# Altium PCB Mixed_Signal_Board_PCB.PcbDoc (part 2 of 4) (continued)
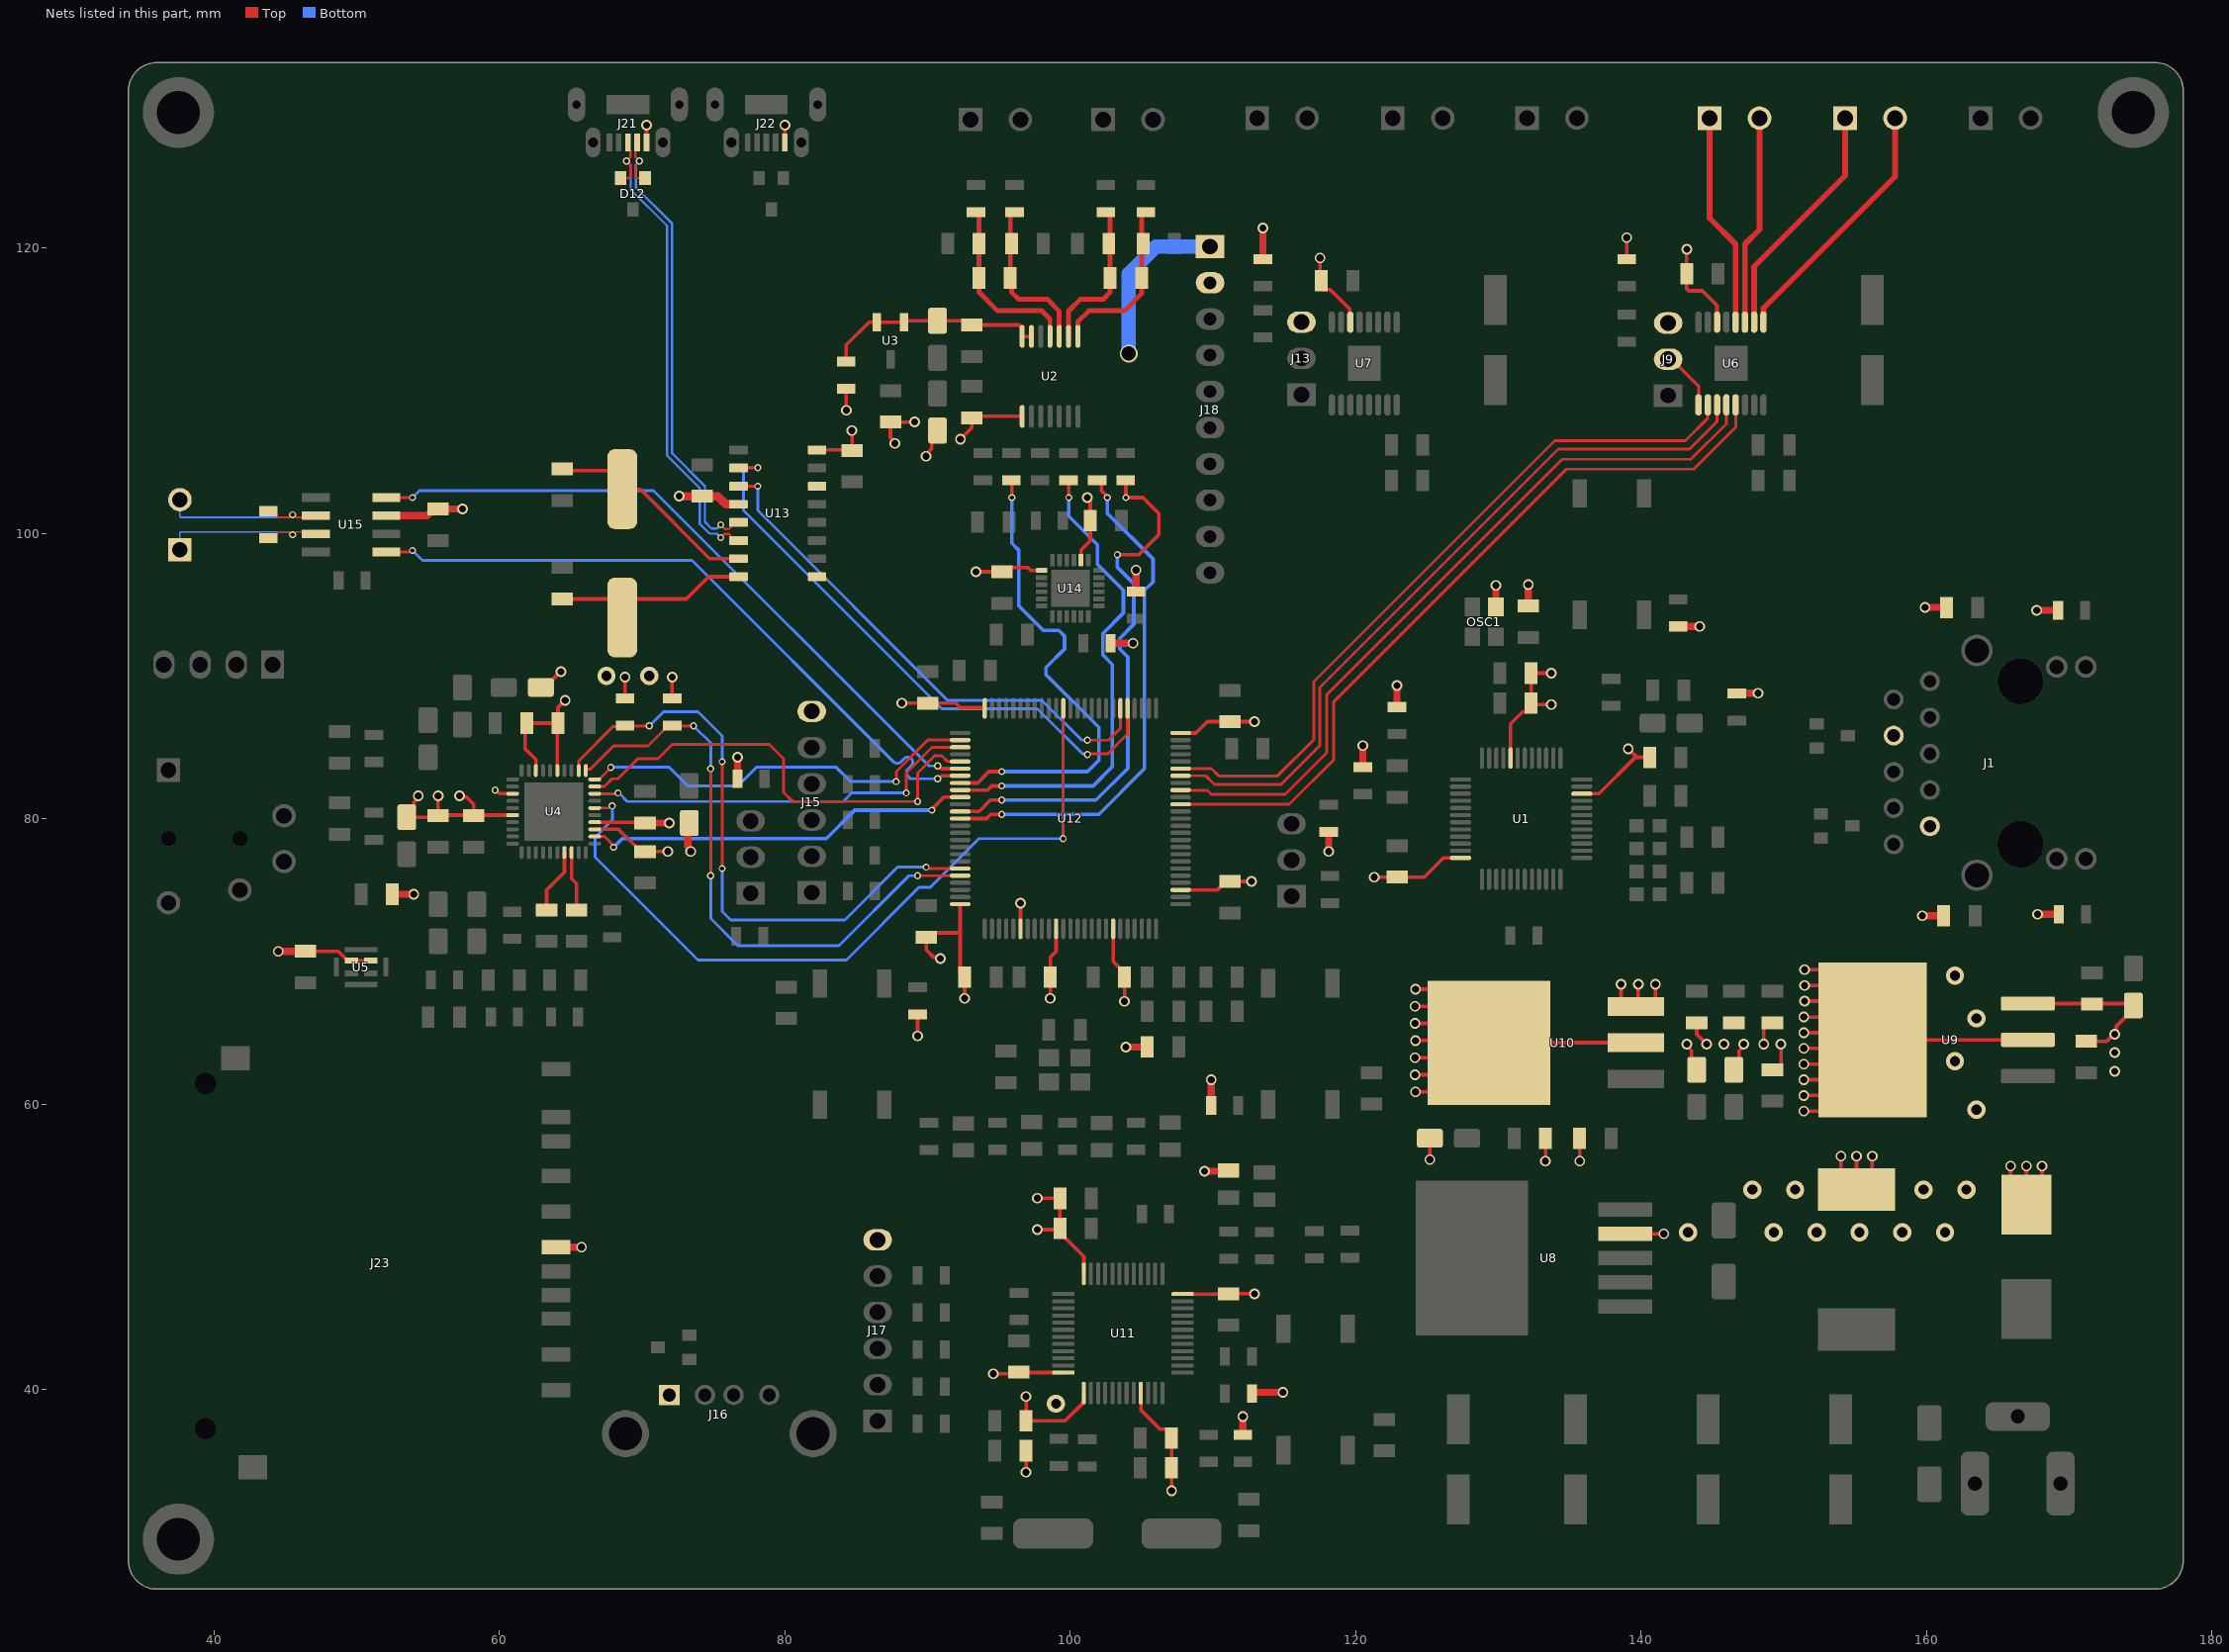
[diagram p4: the nets of this part, all layers, seen from the top]
## Part data (continued)
U8: "SIMPLE SWITCHER® 4.5V to 40V, 3A Low Component Count Step-Down Regulator 5-DDPAK/TO-263", Case/Package=TO-263, Manufacturer="TI National Semiconductor", Manufacturer Part Number=LM2596S-5.0/NOPB, Max Operating Temperature=125°C, Max Output Current=3A, Max Input Voltage=40V, Min Operating Temperature=-40°C, Min Input Voltage=4.5V, Nominal Output Voltage=5V, Package Quantity=45, Quiescent Current=5mA, Supplier Part Number 1=LM2596S-5.0/NOPB-ND, Switching Frequency=173kHz, Category="Power Supply Modules", ComponentLink1Description=https://datasheet.ciiva.com/14150/jqlm2596x-xx-e-14150651.pdf?src-supplier=Distrelec, ComponentLink1URL=https://datasheet.ciiva.com/14150/jqlm2596x-xx-e-14150651.pdf?src-supplier=Distrelec, ComponentLink2Description=https://datasheet.ciiva.com/27050/836385-27050287.pdf?src-supplier=Jameco, ComponentLink2URL=https://datasheet.ciiva.com/27050/836385-27050287.pdf?src-supplier=Jameco, ComponentLink3Description=https://datasheet.ciiva.com/15112/getdatasheetpartid-112894-15112928.pdf?src-supplier=Verical, ComponentLink3URL=https://datasheet.ciiva.com/15112/getdatasheetpartid-112894-15112928.pdf?src-supplier=Verical, ComponentLink4Description=https://datasheet.ciiva.com/41457/001013813-da-01-en-ic-reg-buc-lm2596s-5-0-nopb-to-263-5-tid-41457757.pdf?src-supplier=Conrad, ComponentLink4URL=https://datasheet.ciiva.com/41457/001013813-da-01-en-ic-reg-buc-lm2596s-5-0-nopb-to-263-5-tid-41457757.pdf?src-supplier=Conrad, ComponentLink5Description=https://datasheet.ciiva.com/22669/1874590-22669463.pdf?src-supplier=Element14, ComponentLink5URL=https://datasheet.ciiva.com/22669/1874590-22669463.pdf?src-supplier=Element14, ComponentLink6Description=https://datasheet.ciiva.com/6596/lm2596-6596343.pdf?src-supplier=Digi-Key, ComponentLink6URL=https://datasheet.ciiva.com/6596/lm2596-6596343.pdf?src-supplier=Digi-Key, Contact Plating=Tin,Matte, Efficiency=80%, Height=4.57mm, Lead Free="Contains Lead", Length=10.16mm, Mount="Surface Mount", Number of Outputs=1, Number of Pins=5, Operating Supply Voltage=40V, Output Current=3A, Output Type=Fixed, Output Voltage=5V, Packaging=Rail/Tube, Pricing 1="1=7,14000, 10=6,45200, 25=6,15160, 100=5,34150, 250=5,10148, 500=4,95424 (USD)", Radiation Hardening=No, REACH SVHC="No SVHC", RoHS=Yes, RoHS Compliant=Yes, Series=LM2596, Supplier 1=Digi-Key, Weight=0.25lb, Width=8.64mm
U9: "3-A, 29-V, linear voltage regulator 3-DDPAK/TO-263 -40 to 125", Case/Package=TO-263, Current Rating=3A, Dropout Voltage=1.3V, Manufacturer="TI National Semiconductor", Manufacturer Part Number=LM1085IS-3.3, Max Operating Temperature=125°C, Max Input Voltage=27V, Min Current Limit=3.2A, Min Operating Temperature=-40°C, Min Input Voltage=2.6V, Output Voltage=3.3V, Package Quantity=45, Quiescent Current=10mA, Supplier Part Number 1=LM1085IS-3.3-ND, Category="Voltage Regulators - Linear", ComponentLink1Description=https://datasheet.ciiva.com/6582/lm1085-6582479.pdf?src-supplier=Digi-Key, ComponentLink1URL=https://datasheet.ciiva.com/6582/lm1085-6582479.pdf?src-supplier=Digi-Key, Lead Free="Contains Lead", Max Output Current=3A, Mount="Surface Mount", Number of Outputs=1, Number of Pins=3, Number of Regulators=1, Output Current=3A, Output Type=Fixed, Packaging=Rail/Tube, Polarity=Positive, Pricing 1="1=3,60000, 10=3,23200, 25=3,05520, 100=2,64780, 250=2,51204, 500=2,25404, 1000=2,24175 (USD)", Radiation Hardening=No, RoHS=No, RoHS Compliant=No, Series=-, Stock 1=971, Supplier 1=Digi-Key
U10: library part PMIC_LDO_LD1085D2M18R, "LDO Regulator Pos 1.8V 3A Automotive 4-Pin(3+Tab) D2PAK/A T/R", Case/Package=D2PAK, Dropout Voltage=1.3V, Manufacturer=STMicroelectronics, Max Operating Temperature=125°C, Max Output Current=3A, Max Input Voltage=30V, Min Operating Temperature=-40°C, Output Voltage=1.8V, Output Voltage Accuracy=1%, Package Quantity=1000, Quiescent Current=10mA, Supplier Part Number 1=497-LD1085D2M18RDKR-ND, Input Bias Current=5mA, Accuracy=1%, Category="Voltage Regulators - Linear", ComponentLink1Description=https://datasheet.ciiva.com/2050/cd00001883-2050688.pdf?src-supplier=Digi-Key, ComponentLink1URL=https://datasheet.ciiva.com/2050/cd00001883-2050688.pdf?src-supplier=Digi-Key, ComponentLink2Description=https://datasheet.ciiva.com/2050/cd00001883-2050689.pdf?src-supplier=Digi-Key, ComponentLink2URL=https://datasheet.ciiva.com/2050/cd00001883-2050689.pdf?src-supplier=Digi-Key, ComponentLink3Description=https://datasheet.ciiva.com/2050/cd00001883-2050690.pdf?src-supplier=Digi-Key, ComponentLink3URL=https://datasheet.ciiva.com/2050/cd00001883-2050690.pdf?src-supplier=Digi-Key, ComponentLink4Description=https://datasheet.ciiva.com/2050/cd00001883-2050691.pdf?src-supplier=Digi-Key, ComponentLink4URL=https://datasheet.ciiva.com/2050/cd00001883-2050691.pdf?src-supplier=Digi-Key, Height=4.6mm, Length=10.4mm, Manufacturer Part Number=LD1085D2M18R, Mount="Surface Mount", Number of Outputs=1, Number of Pins=4, Number of Regulators=1, Output Current=3A, Output Type=Fixed, Packaging="Tape and Reel", Polarity=Positive, Pricing 1="1=2,08000, 10=1,86900, 25=1,76360, 100=1,50260, 250=1,41088, 500=1,23450 (USD)", Radiation Hardening=No, RoHS=Yes, RoHS Compliant=Yes, Series=-, Stock 1=10832, Supplier 1=Digi-Key, Width=9.35mm
U11: library part IC_MCU_STM32F103C8T6, "IC MCU 32BIT 64KB FLASH 48LQFP", Case/Package=LQFP, Frequency=72MHz, Manufacturer=STMicroelectronics, Max Operating Temperature=85°C, Max Power Dissipation=363mW, Max Supply Voltage=3.6V, Min Operating Temperature=-40°C, Min Supply Voltage=2V, Package Quantity=1500, Supplier Part Number 1=497-6063-ND, Address Bus Width=32b, Category=Microcontrollers, ComponentLink1Description=https://datasheet.ciiva.com/15122/getdatasheetpartid-69880-15122076.pdf?src-supplier=Verical, ComponentLink1URL=https://datasheet.ciiva.com/15122/getdatasheetpartid-69880-15122076.pdf?src-supplier=Verical, ComponentLink2Description=https://datasheet.ciiva.com/8054/1730126-8054942.pdf?src-supplier=Element14, ComponentLink2URL=https://datasheet.ciiva.com/8054/1730126-8054942.pdf?src-supplier=Element14, ComponentLink3Description=https://datasheet.ciiva.com/14100/pustm-arm-microcont-stm32f103-en-14100508.pdf?src-supplier=Distrelec, ComponentLink3URL=https://datasheet.ciiva.com/14100/pustm-arm-microcont-stm32f103-en-14100508.pdf?src-supplier=Distrelec, ComponentLink4Description=https://datasheet.ciiva.com/16210/cd00161566-16210248.pdf?src-supplier=Future+Electronics, ComponentLink4URL=https://datasheet.ciiva.com/16210/cd00161566-16210248.pdf?src-supplier=Future+Electronics, ComponentLink5Description=https://datasheet.ciiva.com/48687/001075658-da-01-en-mcu-64kb-mem-stm32f103c8t6-lqfp-48-stm-48687589.pdf?src-supplier=Conrad, ComponentLink5URL=https://datasheet.ciiva.com/48687/001075658-da-01-en-mcu-64kb-mem-stm32f103c8t6-lqfp-48-stm-48687589.pdf?src-supplier=Conrad, Core Architecture=ARM, Data Bus Width=32b, Density=64KB, Height=1.4mm, Lead Free="Lead Free", Length=7mm, Manufacturer Part Number=STM32F103C8T6, Max Frequency=72MHz, Memory Size=64KB, Memory Type=FLASH, Number of ADC Channels=10, Number of Bits=32, Number of Pins=48, Number of Programmable I/O=48, Number of PWM Channels=1, Number of SPI Channels=2, Number of Timers/Counters=3, Number of I2C Channels=2, Number of I/Os=37, Oscillator Type=Internal, Packaging=Tray, Peripherals="POR,PWM,WDT,DMA,Temp Sensor,I2C", Pricing 1="1=7,26000, 10=6,56100, 25=6,25560, 80=5,43163, 250=5,18752, 500=5,08580 (USD)", Radiation Hardening=No, RAM Size=20KB, REACH SVHC="No SVHC", RoHS=Yes, RoHS Compliant=Yes, Series=STM32F103C8, Supplier 1=Digi-Key, Termination=SMD/SMT, Watchdog Timer=Yes, Weight=0.006349oz, Width=7mm, Interface=I2C,SPI,USB,CAN,USART
U12: library part IC_MCU_STM32F407VGT6, "MCU 32-bit STM32F ARM Cortex M4F RISC 1024KB Flash 2.5V/3.3V 100-Pin LQFP Tray", Case/Package=LQFP, Frequency=168MHz, Manufacturer=STMicroelectronics, Max Operating Temperature=85°C, Max Supply Voltage=3.6V, Min Operating Temperature=-40°C, Min Supply Voltage=1.8V, Package Quantity=90, Supplier Part Number 1=497-11605-ND, Address Bus Width=32b, Category=Microcontrollers, ComponentLink1Description=https://datasheet.ciiva.com/14132/stm32f407vgt6-tds-eng-14132567.pdf?src-supplier=Distrelec, ComponentLink1URL=https://datasheet.ciiva.com/14132/stm32f407vgt6-tds-eng-14132567.pdf?src-supplier=Distrelec, ComponentLink2Description=https://datasheet.ciiva.com/4842/dm00037051-492832-4842280.pdf?src-supplier=Mouser, ComponentLink2URL=https://datasheet.ciiva.com/4842/dm00037051-492832-4842280.pdf?src-supplier=Mouser, ComponentLink3Description=https://datasheet.ciiva.com/48687/001075599-da-01-en-mcu-32bt-1mb-stm32f407vgt6-lqfp-100-stm-48687547.pdf?src-supplier=Conrad, ComponentLink3URL=https://datasheet.ciiva.com/48687/001075599-da-01-en-mcu-32bt-1mb-stm32f407vgt6-lqfp-100-stm-48687547.pdf?src-supplier=Conrad, Core Architecture=ARM, Data Bus Width=32b, Height=1.45mm, Lead Free="Lead Free", Length=14.2mm, Manufacturer Part Number=STM32F407VGT6, Max Frequency=168MHz, Memory Size=1024KB, Memory Type=FLASH, Number of ADC Channels=16, Number of Ethernet Channels=1, Number of Pins=100, Number of Programmable I/O=82, Number of PWM Channels=2, Number of SPI Channels=3, Number of Timers/Counters=14, Number of UART Channels=2, Number of I2C Channels=3, Number of I/Os=82, Oscillator Type=Internal, Packaging=Tray, Peripherals="Brown-out Detect/Reset,POR,PWM,WDT,DMA,LCD,I2C", Pricing 1="1=16,21000, 10=14,90000, 25=14,28280, 90=12,86744 (USD)", Radiation Hardening=No, RAM Size=196KB, REACH SVHC="No SVHC", RoHS=Yes, RoHS Compliant=Yes, Series="STM32 F4", Supplier 1=Digi-Key, Supplier 2=Avnet, Supplier 3=Avnet, Supplier 4="Arrow Electronics", Supplier 5=Mouser, Supplier 6=Farnell, Supplier Part Number 2=73T2333, Supplier Part Number 3=STM32F407VGT6, Supplier Part Number 4=STM32F407VGT6, Supplier Part Number 5=511-STM32F407VGT6, Supplier Part Number 6=2064368, Watchdog Timer=Yes, Width=14.2mm, Interface=I2C,SPI,CAN,I2S,UART,USB,Ethernet,IrDA,USART,LIN,EBI/EMI
U13: library part IC_USB/UART_CH340G
U14: "IMU ACCEL/GYRO 3-AXIS I2C 24QFN", Case/Package=QFN, Manufacturer="TDK InvenSense", Manufacturer Part Number=MPU-6050, Max Operating Temperature=85°C, Min Operating Temperature=-40°C, Supplier Part Number 1=1428-1007-1-ND, Category="Inertial Measurement Units (IMUs)", ComponentLink1Description=https://datasheet.ciiva.com/1513/1788002-1513632.pdf?src-supplier=Element14, ComponentLink1URL=https://datasheet.ciiva.com/1513/1788002-1513632.pdf?src-supplier=Element14, ComponentLink2Description=https://datasheet.ciiva.com/22731/1788002-22731434.pdf?src-supplier=Element14, ComponentLink2URL=https://datasheet.ciiva.com/22731/1788002-22731434.pdf?src-supplier=Element14, Mount="Surface Mount", Output Type=I2C, Packaging="Tape and Reel", RoHS=Yes, RoHS Compliant=Yes, Sensor Type="Accelerometer,Gyroscope,3 Axis", Series=-, Supplier 1=Digi-Key
U15: "SN65HVD230 3.3 V Can Transceiver", Case/Package=D, Manufacturer="Texas Instruments", Manufacturer Part Number=SN65HVD230D, Max Operating Temperature=85°C, Max Supply Current=17mA, Max Supply Voltage=3.6V, Min Operating Temperature=-40°C, Min Supply Voltage=3V, Operating Supply Voltage=3.3V, Package Quantity=75, Supplier Part Number 1=SN65HVD230D-ND, Category="Logic ICs", ComponentLink1Description=https://datasheet.ciiva.com/19483/1372594-19483181.pdf?src-supplier=Jameco, ComponentLink1URL=https://datasheet.ciiva.com/19483/1372594-19483181.pdf?src-supplier=Jameco, ComponentLink2Description=https://datasheet.ciiva.com/41460/001187809-da-01-en-ic-can-transceive-sn65hvd230d-soic-8-tid-41460692.pdf?src-supplier=Conrad, ComponentLink2URL=https://datasheet.ciiva.com/41460/001187809-da-01-en-ic-can-transceive-sn65hvd230d-soic-8-tid-41460692.pdf?src-supplier=Conrad, ComponentLink3Description=https://datasheet.ciiva.com/1495/1818543-1495176.pdf?src-supplier=Element14, ComponentLink3URL=https://datasheet.ciiva.com/1495/1818543-1495176.pdf?src-supplier=Element14, ComponentLink4Description=https://datasheet.ciiva.com/15149/getdatasheetpartid-258990-15149989.pdf?src-supplier=Verical, ComponentLink4URL=https://datasheet.ciiva.com/15149/getdatasheetpartid-258990-15149989.pdf?src-supplier=Verical, Data Rate=1Mbps, Height=1.58mm, Lead Free="Lead Free", Length=4.9mm, Nominal Supply Current=17mA, Number of Drivers=1, Number of Pins=8, Number of Receive Buffers=1, Number of Receivers=1, Number of Transceivers=1, Number of Transmit Buffers=1, Packaging=Rail/Tube, Pricing 1="1=3,17000, 10=2,84600, 25=2,69040, 100=2,33160, 250=2,21200, 500=1,98482, 1000=1,97400 (USD)", Radiation Hardening=No, REACH SVHC="No SVHC", RoHS=Yes, RoHS Compliant=Yes, Series=-, Supplier 1=Digi-Key, Supply Current=17mA, Weight=0.002561oz, Width=3.91mm
X1: library part CRYSTAL_8.0000MHZ_16PF_SMD, "Crystal 8.0000MHZ 16PF SMD", Manufacturer="Raltron Electronics", Manufacturer Part Number=AS-8.000-16-SMD-TR, Supplier Part Number 1=2151-AS-8.000-16-SMD-TR-ND, Category=Uncategorized, Pricing 1="1000=0,06400, 3000=0,06000, 5000=0,05800, 10000=0,05600 (USD)", RoHS=No, Supplier 1=Digi-Key
X2: library part CRYSTAL_25.0000MHZ_10PF_SMD, "Crystal 25MHz ±30ppm (Tol) ±30ppm (Stability) 10pF FUND 60Ohm 4-Pin Ultra Mini-CSMD T/R", Case/Package=CSMD, ESR (Equivalent Series Resistance)=60R, Frequency Stability=30ppm, Load Capacitance=10pF, Manufacturer=Abracon, Manufacturer Part Number=ABM8G-25.000MHZ-4Y-T3, Max Operating Temperature=60°C, Min Operating Temperature=-10°C, Supplier Part Number 1=535-10915-1-ND, Category=Crystals, ComponentLink1Description=https://datasheet.ciiva.com/15116/getdatasheetpartid-722344-15116840.pdf?src-supplier=Verical, ComponentLink1URL=https://datasheet.ciiva.com/15116/getdatasheetpartid-722344-15116840.pdf?src-supplier=Verical, ComponentLink2Description=https://datasheet.ciiva.com/854/abm8g-854869.pdf?src-supplier=Digi-Key, ComponentLink2URL=https://datasheet.ciiva.com/854/abm8g-854869.pdf?src-supplier=Digi-Key, ComponentLink3Description=https://datasheet.ciiva.com/854/abm8g-854870.pdf?src-supplier=Digi-Key, ComponentLink3URL=https://datasheet.ciiva.com/854/abm8g-854870.pdf?src-supplier=Digi-Key, ComponentLink4Description=https://datasheet.ciiva.com/854/abm8g-854871.pdf?src-supplier=Digi-Key, ComponentLink4URL=https://datasheet.ciiva.com/854/abm8g-854871.pdf?src-supplier=Digi-Key, Depth=2.5mm, Frequency=25MHz, Frequency Tolerance=30ppm, Height=0.039inch, Length=3.2mm, Mount="Surface Mount", Number of Pins=4, Packaging="Tape and Reel", Pricing 1="1=0,67000, 10=0,59600, 50=0,55720, 100=0,49250, 500=0,46656, 1000=0,38880 (USD)", REACH SVHC="No SVHC", RoHS=Yes, Series Resistance=60R, Stock 1=68858, Supplier 1=Digi-Key, Width=0.098inch
X3: "Crystal 12MHz ±25ppm (Tol) ±35ppm (Stability) 20pF FUND 50Ohm 2-Pin HC-49/US SMD T/R", Frequency=12MHz, Load Capacitance=20pF, Manufacturer=Abracon, Manufacturer Part Number=ABLS-12.000MHZ-20-B-3-H-T, Supplier Part Number 1=535-15006-1-ND, Category=Crystals, ComponentLink1Description=https://abracon.com/Resonators/abls.pdf?src-supplier=Digi-Key, ComponentLink1URL=https://abracon.com/Resonators/abls.pdf?src-supplier=Digi-Key, Pricing 1="1=0,19000, 10=0,16100, 50=0,14480, 100=0,12860, 500=0,12220 (USD)", RoHS=Yes, Stock 1=3774, Supplier 1=Digi-Key

## Free pads (board coordinates)
  round 5 hole 3: 1(174.5,129.5) 2(37.5,129.5) 3(37.5,29.5)

## Via types
v1: diameter 0.75, hole 0.5, Top to Bottom, 298 vias
v2: diameter 0.5, hole 0.3, Top to Bottom, 142 vias
v3: diameter 1.27, hole 0.711, Top to Bottom, 63 vias
v4: diameter 0.6, hole 0.4, Top to Bottom, 22 vias
v5: diameter 1.25, hole 1, Top to Bottom, 1 vias

## Nets (pads, with @x,y where several pads share a name; then routed paths per layer and width w, separated by ;. In a path a pad name is that pad's centre, name@x,y a point inside that pad or via, vN(x,y) a via of type N, cw(c..) or ccw(c..) an arc to the next point about the centre after c; other vN are vias at no path point)
1V8: C26.1 C27.1 C28.2 C29.2 C30.2 C63.1 C70.2 C71.2 U4.13 U4.16 U4.34 U10.2 U10.4 | length 43.3
  Top w0.254: v1(54.3,81.6) 54.3,81.466 54.01,81.175 54.01,80.61 C27.1@53.5,80.1 C30.2@55.7,80.1 ; v1(55.7,81.6) C30.2@55.7,80.2 55.75,80.25 58.15,80.25 C29.2@58.2,80.2 ; v1(57.2,81.6) 57.295,81.505 57.695,81.505 58.2,81 C29.2@58.2,80.225 ; C29.2@58.2,80.25 U4.16@60.925,80.25 ; v2(59.7,82) 59.767,82 60.017,81.75 U4.13@60.925,81.75 ; U4.34@66.675,79.75 70.15,79.75 C28.2@70.2,79.7 ; v1(124.153,62.05) U10.4@125.127,62.05 ; v1(124.153,63.25) U10.4@125.127,63.25 ; v1(124.153,65.65) U10.4@125.127,65.65 ; v1(124.153,66.85) U10.4@125.127,66.85 ; v1(124.19,60.85) U10.4@125.127,60.85 ; v1(124.19,64.45) U10.4@125.127,64.45 ; v1(124.19,68.05) U10.4@125.127,68.05 ; v1(125.2,56.1) C63.1@125.2,57.6 ; U10.4@129.35,64.3 U10.2@139.65,64.3 ; v1(133.3,56) C71.2@133.3,57.6 ; v1(135.7,56) C70.2@135.7,57.6
  Top w0.5: C28.2@70.2,79.7 v1(71.9,79.7) ; C26.1@72.9,79.7 73.3,79.3 73.2,79.2 73.2,78.034 73.4,77.834 v1(73.4,77.7)
3V3: C1.2 C2.2 C3.2 C4.2 C6.2 C12.1 C13.1 C31.1 C32.2 C33.2 C34.2 C45.2 C46.2 C50.2 C54.2 C61.1 C66.2 C67.2 C72.2 C73.2 C74.2 C75.2 C76.2 C77.2 C78.2 C79.2 C83.2 C84.2 C85.2 C86.2 C87.2 C88.2 C89.2 C104.2 C105.2 C108.2 D5.2 FB1.1 J1.4 J1.9 J9.3 J13.3 J15.6 J17.6 J18.2 J23.4 OSC1.4 R1.2 R7.2 R8.2 R9.2 R10.1 R12.1 R26.2 R27.2 R33.2 R35.2 R37.2 R43.2 R59.2 R60.2 R65.2 R66.2 R69.2 R70.2 U1.22 U1.32 U1.48 U4.5 U4.8 U4.33 U5.1 U5.2 U6.6 U7.6 U9.2 U9.4 U11.1 U11.9 U11.24 U11.36 U11.48 U12.6 U12.11 U12.19 U12.28 U12.50 U12.75 U12.100 U14.8 U14.13 U15.3 | length 225.9
  Top w0.254: C45.2@46.4,70.7 48.7,70.7 49.35,70.05 U5.2@49.625,70.05 U5.1@50.975,70.05 ; U4.8@62.55,83.375 62.55,84.15 61.8,84.9 61.8,86.6 C33.2@61.9,86.7 C34.2@64.1,86.7 ; C31.1@62.9,89.2 63.166,89.2 64.266,90.3 v1(64.3,90.3) ; U4.5@64.05,83.375 64.05,86.65 C34.2@64.1,86.7 ; v1(64.6,88.3) 64.1,87.8 C34.2@64.1,86.7 ; U4.33@66.675,79.25 68.35,79.25 69.9,77.7 C32.2@70.2,77.7 v1(71.8,77.7) ; R26.2@68.8,88.425 v1(68.8,89.925) ; R27.2@72.1,88.425 v1(72.1,89.925) ; v1(88.2,88.1) C87.2@90,88.1 91.966,88.1 92.266,87.8 93.987,87.8 94.008,87.779 U12.75@94.008,87.733 ; v1(89.3,64.775) R60.2@89.3,66.275 ; C88.2@89.9,71.7 89.9,70.8 90.405,70.295 90.805,70.295 v1(90.9,70.2) ; C88.2@89.9,72 92.283,72 ; U12.100@92.274,73.999 U12.100@92.283,74.008 92.283,72 ; v1(92.6,67.4) C84.2@92.6,68.9 92.283,69.217 92.283,72 ; v1(93.4,97.3) C104.2@95.2,97.3 95.5,97.6 97.034,97.6 97.234,97.4 U14.13@98,97.4 ; v1(94.6,41.1) 96.3,41.1 96.379,41.179 U11.48@99.518,41.179 ; U12.6@96.508,72.283 v1(96.508,74.083) ; v1(96.9,34.2) C79.2@96.9,35.7 ; v1(96.9,39.5) C73.2@96.9,37.8 99.639,37.8 100.948,39.109 U11.1@100.948,39.749 ; v1(97.7,51.2) 99.199,51.2 C76.2@99.278,51.279 ; v1(97.7,53.4) 99.257,53.4 C72.2@99.278,53.379 C76.2@99.278,51.279 ; v1(98.6,67.4) C89.2@98.6,68.9 98.6,70.3 99.008,70.708 U12.11@99.008,72.283 ; U14.8@100.75,98.125 100.75,98.822 101.4,99.472 C105.2@101.4,100.9 101.4,102.166 101.2,102.366 v1(101.2,102.5) ; U11.36@100.948,48.109 100.948,49.309 99.278,50.979 C76.2@99.278,51.279 ; U12.19@103.008,72.283 103.008,69.992 103.8,69.2 C83.2@103.8,68.9 v1(103.8,67.2) ; U11.9@104.948,39.749 104.961,39.736 104.961,38.539 106.277,37.223 106.777,37.223 107.1,36.9 C78.2@107.1,36.6 ; v1(107.1,32.9) C74.2@107.1,34.5 C78.2@107.1,36.5 ; U12.28@107.733,75.008 110.308,75.008 110.9,75.6 C86.2@111.2,75.6 v1(112.7,75.6) ; U12.50@107.733,86.008 108.808,86.008 109.6,86.8 C85.2@111.2,86.8 v1(112.9,86.8) ; U11.24@107.878,46.679 111.079,46.679 C75.2@111.1,46.7 v1(112.9,46.7) ; D5.2@111.05,55.3 D5.2@111.1,55.35 ; R37.2@112.725,39.7 R37.2@112.825,39.8 ; C50.2@117.4,117.4 117.715,117.085 118.215,117.085 119.587,115.713 119.587,114.838 U7.6@119.625,114.8 ; v1(117.5,119.3) 117.5,117.8 C50.2@117.6,117.7 ; v1(121.3,75.9) 124.8,75.9 126.15,77.25 U1.48@127.35,77.25 ; U1.32@130.85,84.25 130.85,86.65 131.685,87.485 131.977,87.485 132.3,87.808 C4.2@132.3,88.1 ; C1.2@132.3,90.2 C4.2@132.3,88.1 ; C1.2@132.5,90.2 v1(133.7,90.2) ; v1(133.7,88) 132.4,88 C4.2@132.3,88.1 ; U1.22@135.85,81.75 137.046,81.75 139.596,84.3 C3.2@140.6,84.3 ; R33.2@139,119.225 v1(139,120.725) ; v1(139.1,84.9) 139.7,84.3 ; v1(143.2,119.9) C54.2@143.2,118.2 143.2,117.139 143.349,116.99 144.3,116.99 145.325,115.965 U6.6@145.325,114.8 ; C61.1@146.5,62.4 146.868,62.768 146.868,63.734 147.2,64.066 v1(147.2,64.2) ; R12.1@146.835,88.8 R12.1@146.848,88.788 ; v1@148.188,88.788 v1(148.2,88.8) ; v1(148.6,64.2) 148.6,65.377 148.923,65.7 C67.2@149.2,65.7 ; C66.2@149.2,62.4 149.477,62.4 149.8,62.723 v1(149.8,64.2) ; v1(151.4,59.5) U9.4@152.481,59.5 ; v1(151.4,60.6) U9.4@152.481,60.6 ; v1(151.4,61.7) U9.4@152.481,61.7 ; v1(151.4,62.8) U9.4@152.481,62.8 ; v1(151.4,63.9) U9.4@152.481,63.9 ; v1(151.4,65) U9.4@152.481,65 ; v1(151.4,66.1) U9.4@152.481,66.1 ; v1(151.456,67.211) U9.4@152.537,67.211 ; v1(151.456,68.311) U9.4@152.537,68.311 ; v1(151.456,69.411) 152.537,69.411 156.22,65.728 U9.4@156.22,64.5 U9.2@167.1,64.5
  Top w0.5: v1(44.5,70.7) C45.2@46.4,70.7 ; U15.3@52.07,101.235 54.935,101.235 55.4,101.7 v1(57.4,101.7) ; C46.2@52.5,74.7 v1(54,74.7) ; J23.4@63.95,49.97 v1(65.75,49.97) ; R66.2@76.675,82.8 v1(76.675,84.3) ; R70.2@102.925,92.3 v1(104.4,92.3) ; v1(103.9,64) FB1.1@105.4,64 ; R69.2@104.6,95.925 v1(104.6,97.425) ; v1(109.4,55.3) D5.2@111.05,55.3 ; R59.2@109.875,59.9 v1(109.875,61.7) ; R43.2@112.1,36.825 v1(112.1,38.1) ; R37.2@112.825,39.8 v1(114.9,39.8) ; R35.2@113.5,119.225 v1(113.5,121.4) ; v1(118.1,77.7) R65.2@118.1,79.075 ; R7.2@120.5,83.625 v1(120.5,85.125) ; R9.2@122.9,87.825 v1(122.9,89.325) ; OSC1.4@129.825,94.85 v1(129.825,96.35) ; C6.2@132.1,94.9 v1(132.1,96.4) ; R1.2@142.6,93.475 v1(144.1,93.475) ; R12.1@146.848,88.788 v1@148.188,88.788 ; v1(159.7,73.2) C12.1@161.2,73.2 ; v1(159.9,94.8) C13.1@161.4,94.8 ; v1(167.725,94.6) R10.1@169.225,94.6 ; v1(167.775,73.3) R8.2@169.275,73.3
  other v3: 99,39 163.5,59.6 162,63 163.5,66 162,69 67.5,90 70.5,90
5V: C16.1 C18.2 C24.2 C59.1 C60.1 C62.1 C64.2 C65.2 C68.2 C69.2 C100.2 C101.2 J16.1 J18.1 J21.1 J22.1 L1.2 R23.1 U2.1 U8.4 U9.3 U10.3 U13.4 U13.16 | length 72.7
  Top w0.254: J21.1@70.3,127.4 v1(70.3,128.6) ; J22.1@80,127.4 v1(80,128.6) ; U13.16@82.272,105.823 U13.16@82.25,105.845 84.655,105.845 C100.2@84.7,105.8 v1(84.7,107.2) ; v1(84.3,108.625) R23.1@84.3,110.125 ; v1(87.7,106.3) 87.7,106.434 87.4,106.734 C24.2@87.4,107.8 v1(89.1,107.8) ; v1(89.9,105.4) 89.9,105.534 90.28,105.914 90.28,106.78 C16.1@90.7,107.2 ; v1(92.3,106.6) 93.1,107.4 C18.2@93.1,108.1 93.2,108.2 U2.1@96.627,108.2 ; v1(138.6,68.4) 138.6,67.363 139.123,66.84 U10.3@139.65,66.84 ; U8.4@138.9,50.9 v1(141.6,50.9) ; v1(139.8,68.4) 139.8,66.99 U10.3@139.65,66.84 ; v1(141,68.4) 141,67.363 140.477,66.84 U10.3@139.65,66.84 ; v1(143.2,64.2) 143.2,64.066 143.532,63.734 143.532,62.768 C62.1@143.9,62.4 ; C69.2@143.9,65.7 143.9,64.9 v1(144.6,64.2) ; L1.2@154,54.85 v1(154,56.35) ; L1.2@155.1,53.4 v1(155.1,56.35) ; L1.2@156.2,54.85 v1(156.2,56.35) ; C59.1@165.9,54.15 v1(165.9,55.65) ; C59.1@167,52.7 v1(167,55.65) ; U9.3@167.1,67.04 174.36,67.04 C60.1@174.5,66.9 174.5,66.655 173.295,65.45 173.295,64.995 v1(173.2,64.9) 173.131,64.9 172.631,64.4 C64.2@170.8,64.4 ; C59.1@168.1,54.15 v1(168.1,55.65)
  Top w0.6: v1(72.6,102.6) C101.2@74.2,102.6 75.3,102.6 75.863,102.037 76.748,102.037 U13.4@76.75,102.035
  Bottom w1: v5(104.1,112.6) 104.1,118.2 106,120.1 J18.1@109.8,120.1
  other v1: 173.2,62.3 173.2,63.6 145.8,64.2
  other v3: 143.3,51 149.3,51 152.3,51 155.3,51 158.3,51 161.3,51 147.8,54 150.8,54 159.8,54 162.8,54
ADC_BUFF_EN: R20.1 U12.87 | length 38
  Top w0.254: U12.87@92.327,80.508 93.608,80.508 94.4,81.3 v2(95.2,81.3) ; v2(103.3,98.5) 104.8,98.5 106.2,99.9 106.2,101.4 105.1,102.5 v2(103.9,102.5) R20.1@103.9,103.702
  Bottom w0.254: v2(95.2,81.3) 101.8,81.3 104.029,83.529 104.029,91.321 103.475,91.875 103.475,92.65 104.45,93.625 104.45,96.475 103.3,97.625 v2(103.3,98.5)
ADC_CLK: R15.1 U12.83 | length 34.2
  Top w0.254: U12.83@92.327,82.508 93.508,82.508 94.3,83.3 v2(95.2,83.3) ; v2(95.9,102.5) R15.1@95.9,103.702
  Bottom w0.254: v2(95.2,83.3) 101.2,83.3 102,84.1 102,86.4 98.3,90.1 98.3,90.6 99.6,91.9 99.6,92.8 99.2,93.2 98.1,93.2 96.4,94.9 96.4,98.8 95.9,99.3 v2(95.9,102.5)
ADC_MUX: R18.1 U12.84 | length 33.8
  Top w0.254: U12.84@92.345,82.008 94.208,82.008 94.5,82.3 v2(95.2,82.3) ; R18.1@99.877,103.725 99.9,103.702 v2(99.9,102.5)
  Bottom w0.254: v2(95.2,82.3) 101.6,82.3 102.95,83.65 102.95,90.8 102.275,91.475 102.275,92.972 103.725,94.422 103.725,96.004 101.9,97.829 101.9,99.2 99.9,101.2 v2(99.9,102.5)
ADC_TEMP_EN: R19.1 U12.88 | length 36.5
  Top w0.254: U12.88@92.306,80.029 92.327,80.008 94.125,80.008 94.417,80.3 v2(95.2,80.3) ; R19.1@101.877,103.725 101.954,103.725 102.177,103.502 102.177,102.99 102.6,102.567 v2(102.6,102.5)
  Bottom w0.254: v2(95.2,80.3) 102,80.3 105.2,83.5 105.2,96 105.8,96.6 105.8,98.2 102.6,101.4 v2(102.6,102.5)
ADC_VREF: C17.1 C19.2 R23.2 U2.13 U2.14 U3.1 U3.2 | length 15.7
  Top w0.254: R23.2@84.3,112.025 84.3,113.2 85.9,114.8 U3.2@86.45,114.8 U3.1@88.35,114.8 88.45,114.9 C17.1@90.7,114.9 92.8,114.9 C19.2@93.1,114.6 96.426,114.6 96.627,114.399 U2.14@96.627,113.8 U2.13@97.277,113.8
AFILTA: C44.2 U4.27 | length 4.5
  Top w0.254: C44.2@63.3,73.6 63.3,74.99 64.55,76.24 U4.27@64.55,77.625
AFILTB: C43.2 U4.28 | length 4.2
  Top w0.254: U4.28@65.05,77.625 65.05,75.79 65.4,75.44 C43.2@65.4,73.6
AINN1: C15.1 C20.2 R14.1 U2.11 | length 12.7
  Top w0.34: R14.1@93.4,122.5 93.6,122.3 C15.1@93.6,117.9 93.6,116.9 94.9,115.6 98,115.6 98.577,115.023 U2.11@98.577,113.8
AINN2: C22.1 C23.2 R22.1 U2.9 | length 11
  Top w0.34: U2.9@99.877,113.8 99.877,115.577 100.7,116.4 102.3,116.4 102.8,116.9 C22.1@102.8,117.9 102.8,122.277 102.577,122.5 R22.1@102.5,122.5
AINP1: C14.1 C15.2 R13.1 U2.10 | length 11.5
  Top w0.34: R13.1@96.1,122.5 96.023,122.5 95.8,122.277 C15.2@95.8,117.9 95.882,117.818 95.882,116.918 96.391,116.409 98.391,116.409 99.209,115.591 99.209,113.818 U2.10@99.227,113.8
AINP2: C21.1 C22.2 R21.1 U2.8 | length 12.2
  Top w0.34: U2.8@100.527,113.8 100.527,114.827 101.3,115.6 103.8,115.6 105,116.8 C22.2@105,117.9 105,122.277 105.223,122.5 R21.1@105.3,122.5
CAN_N: J24.2 R72.1 U15.6 | length 13
  Top w0.127: R72.1@43.8,101.55 44.1,101.55 44.386,101.264 44.386,101.182 44.461,101.108 45.239,101.108 45.431,101.3 v2(45.5,101.3) 45.569,101.3 45.761,101.108 47.003,101.108 U15.6@47.13,101.235
  Bottom w0.127: J24.2@37.6,102.35 37.6,101.182 37.674,101.108 45.239,101.108 45.431,101.3 v2(45.5,101.3)
CAN_P: J24.1 R72.2 U15.7 | length 13
  Top w0.127: R72.2@43.8,99.65 44.1,99.65 44.386,99.936 44.386,100.018 44.461,100.092 45.239,100.092 45.431,99.9 v2(45.5,99.9) 45.569,99.9 45.761,100.092 47.003,100.092 U15.7@47.13,99.965
  Bottom w0.127: J24.1@37.6,98.85 37.6,100.018 37.674,100.092 45.239,100.092 45.431,99.9 v2(45.5,99.9)
CAN_RX: U12.81 U15.4 | length 48.4
  Top w0.2: U15.4@52.07,102.505 52.075,102.5 v2(53.9,102.5)
  Top w0.254: v2(90.7,83.7) 90.767,83.7 90.959,83.508 U12.81@92.228,83.508
  Bottom w0.2: v2(53.9,102.5) 54.4,103 70.8,103 90.1,83.7 v2(90.7,83.7)
CAN_TX: U12.82 U15.1 | length 48.4
  Top w0.2: U15.1@52.07,98.695 52.075,98.7 53.719,98.7 53.819,98.8 v2(53.9,98.8)
  Top w0.254: v2(90.7,82.8) 90.767,82.8 90.975,83.008 U12.82@92.221,83.008
  Bottom w0.2: v2(53.9,98.8) 54.6,98.1 73.5,98.1 87.549,84.051 87.62,83.98 ccw(c87.87,84.231) 88.12,83.98 88.351,84.211 cw(c88.601,83.961) 88.852,84.211 cw(c88.601,83.961) 88.852,83.711 88.621,83.48 ccw(c88.871,83.229) 88.621,82.979 88.8,82.8 89.7,82.8 v2(90.7,82.8)
CH340_CTS: U13.9
CH340_RTS: U13.14
CH340_RXD: U12.56 U13.3 | length 36.9
  Top w0.191: v2(101.2,85.5) 102.675,85.5 103.508,86.333 U12.56@103.508,87.733
  Top w0.2: U13.3@76.75,103.305 76.752,103.303 v2(78.097,103.303)
  Bottom w0.2: v2(78.097,103.303) 78.097,101.603 91.4,88.3 98,88.3 100.8,85.5 v2(101.2,85.5)
CH340_TXD: U12.55 U13.2 | length 41.6
  Top w0.191: v2(101.2,84.5) 101.25,84.55 102.633,84.55 104.008,85.925 U12.55@104.008,87.733
  Top w0.2: U13.2@76.75,104.575 76.762,104.587 78.087,104.587 v2(78.1,104.6)
  Bottom w0.2: v2(78.1,104.6) 77.4,104.6 77.1,104.3 77.1,101.6 91,87.7 97.7,87.7 100.861,84.539 101.161,84.539 v2(101.2,84.5)
CH340_USB_N: D12.1 J21.2 U13.5 | length 33.8
  Top w0.161: J21.2@69.65,127.4 69.53,127.28 69.53,126.761 69.53,126.37 v2(69.8,126.1) 69.53,125.83 69.53,124.994 69.625,124.9 D12.1@70.2,124.9 ; v2(75.5,100.6) 75.5,100.594 75.784,100.31 76.081,100.31 76.175,100.405 76.175,100.535 76.405,100.765 U13.5@76.75,100.765
  Bottom w0.161: v2(69.8,126.1) 69.8,126.075 69.561,125.836 69.561,124.239 72.1,121.7 72.1,105.6 74.4,103.3 74.4,100.8 74.87,100.33 75.23,100.33 v2(75.5,100.6)
CH340_USB_P: D12.2 J21.3 U13.6 | length 34.5
  Top w0.161: D12.2@68.5,124.9 69.075,124.9 69.17,124.994 69.17,125.83 v2(68.9,126.1) 69.17,126.37 69.17,126.805 69,126.975 J21.3@69,127.4 ; v2(75.5,99.7) 75.514,99.7 75.764,99.95 76.081,99.95 76.175,99.855 76.175,99.725 76.405,99.495 U13.6@76.75,99.495
  Bottom w0.161: v2(68.9,126.1) 68.9,126.092 69.2,125.792 69.2,124.09 71.739,121.551 71.739,105.451 74.039,103.151 74.039,100.651 74.72,99.97 75.23,99.97 v2(75.5,99.7)
CH340_X0: C103.2 U13.8 X3.2 | length 13
  Top w0.254: C103.2@64.4,95.4 68.6,95.4 73.1,95.4 74.655,96.955 U13.8@76.75,96.955
CH340_XI: C102.2 U13.7 X3.1 | length 15.2
  Top w0.254: C102.2@64.4,104.5 64.5,104.4 67.707,104.4 68.6,103.507 X3.1@68.6,103.1 68.626,103.074 69.882,103.074 74.731,98.225 U13.7@76.75,98.225
DAC_LCLK: U4.40 U12.77 | length 29.1
  Top w0.2: U4.40@66.675,82.75 66.967,82.75 67.8,83.583 v2(67.8,83.6) ; v2(87.8,82.6) 87.8,83.3 90.008,85.508 U12.77@92.283,85.508
  Bottom w0.2: v2(67.8,83.6) 71.9,83.6 73.2,82.3 76.7,82.3 78,83.6 83.6,83.6 84.6,82.6 v2(87.8,82.6)
DAC_MCLK: U4.36 U12.64 | length 53.8
  Top w0.2: U4.36@66.675,80.75 67.669,80.75 67.819,80.9 v2(67.9,80.9) ; v2(99.5,78.6) 99.504,78.604 99.504,87.729 U12.64@99.508,87.733
  Bottom w0.2: v2(67.9,80.9) 67.9,79.9 66.7,78.7 66.7,77.3 73.9,70.1 84.3,70.1 89.4,75.2 90.2,75.2 93.6,78.6 v2(99.5,78.6)
DAC_RESET: U4.32 U12.85 | length 27.5
  Top w0.2: U4.32@66.675,78.75 67.35,78.75 67.943,78.157 67.943,78.057 v2(68,78)
  Top w0.254: v2(90.3,80.6) 90.3,80.663 91.145,81.508 U12.85@92.283,81.508
  Bottom w0.254: v2(68,78) 68.6,78.6 82.9,78.6 84.9,80.6 v2(90.3,80.6)
DAC_SCL: R26.1 U4.2 U12.95 | length 43.7
  Top w0.191: v2(89.9,76.6) 89.984,76.6 90.076,76.508 U12.95@92.283,76.508
  Top w0.2: U4.2@65.55,83.375 65.55,84.05 67.967,86.467 68.742,86.467 R26.1@68.8,86.525 68.825,86.5 v2(70.5,86.5) ; v2(75.6,76.5) v2(75.6,83.994)
  Bottom w0.2: v2(70.5,86.5) 71.5,87.5 73.9,87.5 75.6,85.8 v2(75.6,83.994) ; v2(75.6,76.5) 75.6,73.5 76.2,72.9 84.2,72.9 87.9,76.6 v2(89.9,76.6)
DAC_SCLK: U4.38 U12.78 | length 28.3
  Top w0.2: U4.38@66.675,81.75 68.25,81.75 v2(68.3,81.8) ; v2(88.5,81.8) 88.5,83.2 90.308,85.008 U12.78@92.283,85.008
  Bottom w0.2: v2(68.3,81.8) 68.362,81.8 68.962,81.2 84.1,81.2 84.7,81.8 v2(88.5,81.8)
DAC_SDA: R27.1 U4.1 U12.96 | length 43.2
  Top w0.191: v2(89.3,76) 89.304,76.004 92.279,76.004 U12.96@92.283,76.008
  Top w0.2: U4.1@66.05,83.375 66.05,83.436 66.087,83.473 66.373,83.473 68,85.1 70.4,85.1 71.55,86.25 71.55,86.275 71.8,86.525 R27.1@72.1,86.525 72.125,86.5 v2(73.6,86.5) ; v2(74.8,76) v2(74.8,83.5)
  Bottom w0.2: v2(73.6,86.5) 74.8,85.3 v2(74.8,83.5) ; v2(74.8,76) 74.8,73 76.7,71.1 83.8,71.1 88.7,76 v2(89.3,76)
DAC_SDIN: U4.39 U12.80 | length 32.5
  Top w0.2: U4.39@66.675,82.25 67.35,82.25 67.9,82.8 68.3,82.8 69.7,84.2 71.1,84.2 72.1,85.2 78.9,85.2 79.9,84.2 79.9,81.848 80.548,81.2 v2(89.3,81.2) 89.3,83.2 90.5,84.4 91,84.4 91.392,84.008 U12.80@92.283,84.008
DRV1_AIN1: U6.13 U12.40 | length 53.8
  Top w0.191: U12.40@107.729,81.004 U12.40@107.733,81.008
  Top w0.2: U12.40@107.733,81.008 115.342,81.008 118.468,84.134 118.468,88.202 134.766,104.5 143.7,104.5 146.625,107.425 U6.13@146.625,109
DRV1_AIN2: U6.12 U12.42 | length 52.8
  Top w0.2: U12.42@107.733,82.008 107.752,81.989 109.611,81.989 109.9,81.7 115.055,81.7 117.979,84.623 117.979,88.691 134.479,105.192 143.492,105.192 145.975,107.675 U6.12@145.975,109
DRV1_AOUT1: J6.2 U6.1 | length 18.1
  Top w0.4: U6.1@148.575,114.8 148.575,115.775 157.8,125 J6.2@157.8,129.1
DRV1_AOUT2: J6.1 U6.2 | length 16.9
  Top w0.4: U6.2@147.925,114.8 147.925,118.703 154.3,125.078 J6.1@154.3,129.1
DRV1_BIN1: U6.11 U12.44 | length 51.9
  Top w0.2: U12.44@107.733,83.008 109.492,83.008 110.1,82.4 114.765,82.4 117.484,85.118 117.484,89.186 134.189,105.892 143.392,105.892 145.325,107.825 U6.11@145.325,109
DRV1_BIN2: U6.10 U12.45 | length 50.8
  Top w0.2: U12.45@107.733,83.508 109.892,83.508 110.4,83 114.517,83 117.059,85.542 117.059,89.611 133.941,106.492 143.092,106.492 144.675,108.075 U6.10@144.675,109
DRV1_BOUT1: J8.1 U6.4 | length 15.1
  Top w0.4: J8.1@144.8,129.1 144.8,122.1 146.625,120.275 U6.4@146.625,114.8
DRV1_BOUT2: J8.2 U6.3 | length 14.7
  Top w0.4: U6.3@147.275,114.8 147.275,120.275 148.3,121.3 J8.2@148.3,129.1
DRV1_DCY/TOFF: J9.2 U6.9 | length 4.2
  Top w0.2: J9.2@141.9,112.2 142.15,112.2 144.025,110.325 U6.9@144.025,109